# Allegro board BRD-05058-01_B04.brd (continued)
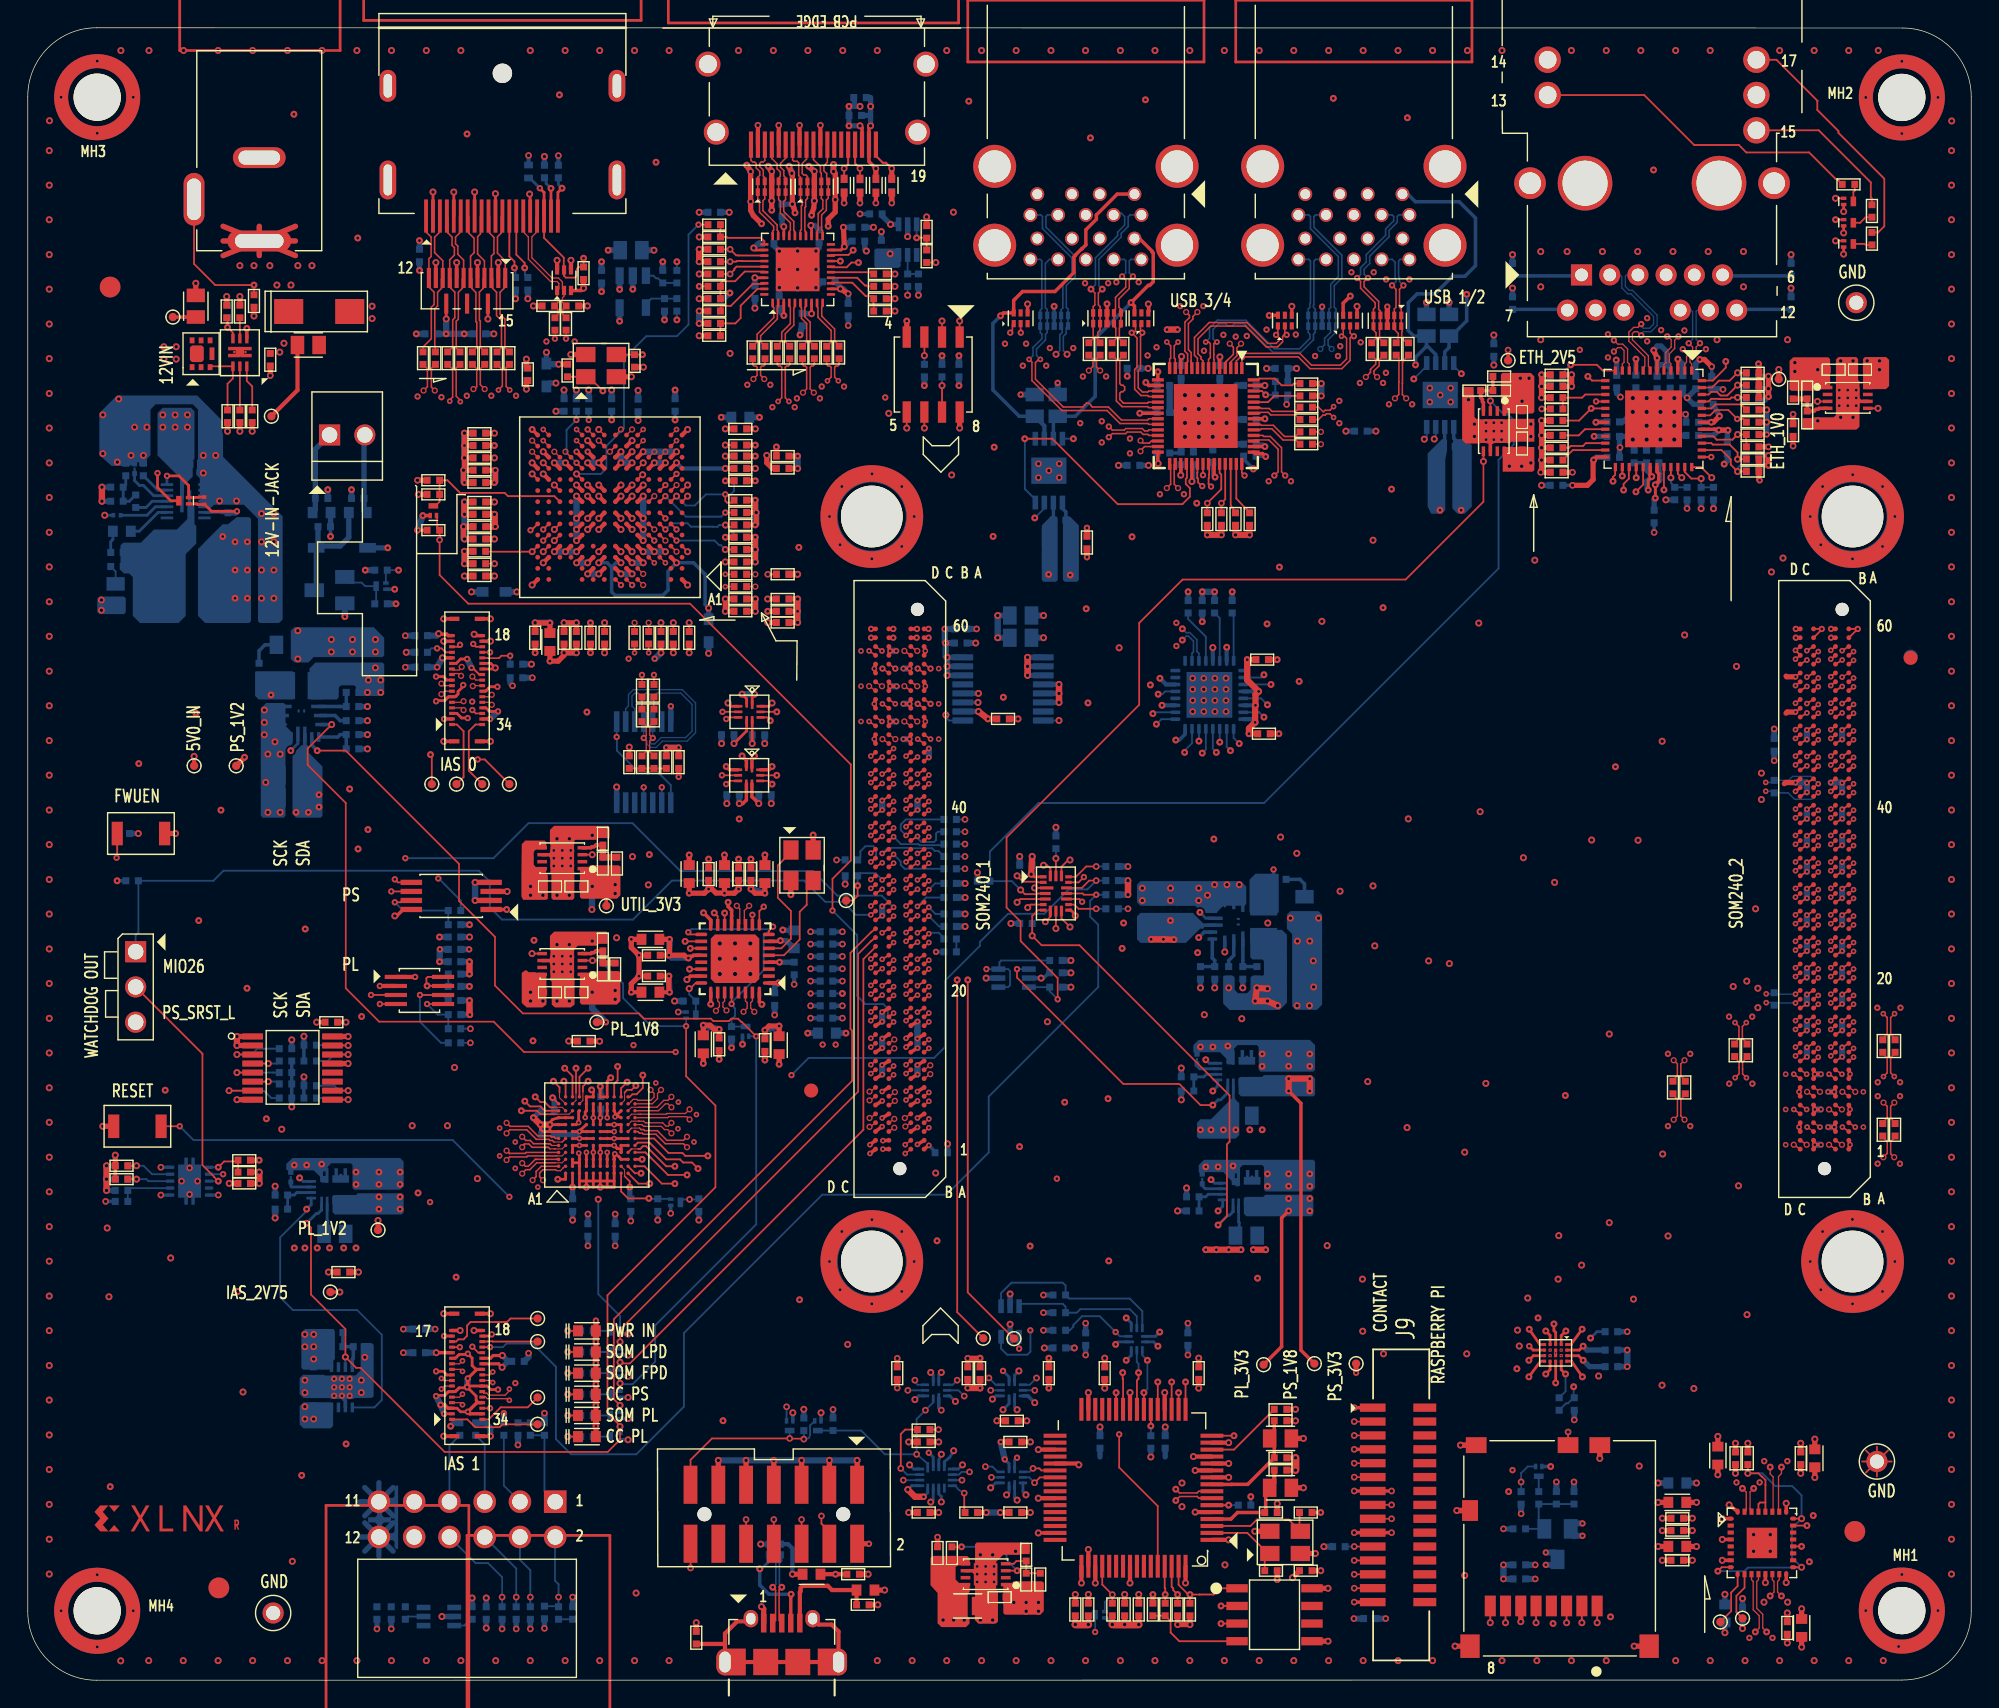
[diagram p0: board, top side]
## Routing (per net, layer and track width the routed paths; a pad name or vN(x,y) marks a point on that pad's centre or on a via; arc(x,y) is an arc through that point) (continued)
  L12_SIG w0.457: v2(131.11,92.34) v2(131.11,91.78) ; v2(131.11,92.34) v2(130.5,92.34) ; v2(131.11,92.34) 131.11,92.28 131.11,92.31 ; v2(131.11,92.34) v2(131.72,92.34) ; v2(131.11,92.34) v2(130.5,91.78) ; v2(131.11,92.34) v2(131.72,91.78) ; v2(131.11,91.78) v2(130.5,91.78) ; v2(131.11,91.78) v2(131.72,91.78) ; v2(62.96,85.96) 63.67,85.42 ; v2(130.5,92.34) v2(130.5,92.9) ; v2(130.5,92.34) v2(130.5,91.78) ; v4(110.29,32.02) 110.26,31.27 ; v1(84.72,70.56) v1(84.72,71.36) ; v4(96.53,43.11) 97.76,43.97 ; v2(87.02,96.76) 86.89,97.38 ; v1(86.32,70.56) v1(86.32,71.36) ; 10.66,35.96 11.1,35.91 10.61,35.99 ; v4(100.92,51.8) 101.37,51.89 ; v2(131.72,92.34) v2(131.72,91.78) ; v2(131.72,92.34) v2(131.72,92.9) ; v4(69.37,13.86) 69.29,13.03 ; v4(118.51,102.88) 118.59,103.5 ; v4(103.21,16.93) 102.79,16.38 ; v4(83.97,16.11) 83.99,15.54 ; 85.81,97 85.93,96.88 v2(86.13,96.88) ; v4(68.62,9.03) v2(68.39,8.19) v2(69,8.19) v2(69.61,8.19) v2(69.61,7.63) ; v2(80.67,95.4) 80.11,95.1 ; v2(74.19,93.43) 73.89,93.7 ; v4(71.34,69.23) 71.4,69.8 ; v4(121.05,102.88) 121.11,103.22 ; 103.94,38.18 v4(103.51,38.03) 103.07,38.12 ; v4(70.51,13.35) 70.53,12.98 ; v4(63.46,17.16) 63.45,16.79 ; v4(118.16,31.99) 118.29,31.42 ; v2(97.63,93.42) v2(97.84,94.15) ; v1(85.52,70.56) v1(85.52,71.36) ; v6(106.68,13.58) 106.58,13.16 ; v1(11.66,36.89) 10.94,36.8 ; v4(125.4,93.01) v4(125.4,93.9) ; v1(83.92,70.56) v1(83.92,71.36) ; v6(69.62,88.79) 69.27,89.18 ; v2(89.24,97.26) 89.28,97.51
  L13_GND w0.127: J16.1 134.01,16.55 ; J16.1 132.4,14.94 ; J16.1 134.01,14.94 ; J16.1 132.4,16.55 ; 130.92,100.01 J17.1 ; J17.1 130.92,98.4 ; J17.1 132.53,98.4 ; J17.1 132.53,100.01 ; 16.87,5.65 J15.1 ; J15.1 18.48,5.65 ; J15.1 18.48,4.04 ; J15.1 16.87,4.04
  L13_GND w0.203: U46.4 71.7,106.19 ; U46.7 76.32,106.88 ; U46.16 76.22,103.58 ; U46.13 71.65,103.04
  L13_GND w0.381: J6.21 43.35,106.33 ; J6.21 43.35,109.74 ; J6.21 41.54,106.33 ; J6.21 41.54,109.74 ; 47.83,115.21 J5.21 ; J5.21 50.17,115.21 ; J5.21 50.17,117.55 ; J5.21 47.83,117.55 ; 68.02,110.65 U46.19 ; U46.19 68.02,107.39 ; U46.19 71.29,107.39 ; U46.19 71.29,110.65 ; 63.53,117.55 J5.22 ; J5.22 65.87,115.21 ; J5.22 63.53,115.21 ; J5.22 65.87,117.55 ; 81.16,107.39 U46.22 ; U46.22 84.43,107.39 ; U46.22 81.16,110.65 ; U46.22 84.43,110.65 ; J5.20 50.77,110.31 ; J5.20 48.43,110.31 ; J5.20 50.77,112.65 ; J5.20 48.43,112.65 ; 75.33,101.43 U46.16 77.11,101.43 ; 14.09,111.08 J12.2 ; J12.2 19.26,111.08 ; J12.2 14.09,108.21 ; J12.2 19.26,108.21 ; J6.23 27.23,116.66 ; J6.23 24.66,116.66 ; J6.23 24.66,112.98 ; J6.23 27.23,112.98 ; U46.4 73.61,107.91 ; U46.4 73.61,106.13 ; U46.4 71.83,107.91 ; U46.13 73.61,102.93 ; U46.13 71.83,104.71 ; U46.13 73.61,104.71 ; U44.19 90.59,107.39 ; U44.19 90.59,110.65 ; U44.19 87.33,107.39 ; U44.19 87.33,110.65 ; 41.16,112.98 J6.22 ; J6.22 43.73,112.98 ; J6.22 41.16,116.66 ; J6.22 43.73,116.66 ; 62.93,112.65 J5.23 ; J5.23 62.93,110.31 ; J5.23 65.27,110.31 ; J5.23 65.27,112.65 ; J10.SH1 109.56,106.46 ; J10.SH1 109.56,109.15 ; J10.SH1 106.88,109.15 ; J10.SH1 106.88,106.46 ; 25.04,106.33 J6.24 ; J6.24 26.85,109.74 ; J6.24 25.04,109.74 ; J6.24 26.85,106.33 ; U44.22 103.73,107.39 ; U44.22 100.47,110.65 ; U44.22 100.47,107.39 ; U44.22 103.73,110.65 ; 124.45,109.15 J10.SH2 ; J10.SH2 127.14,106.46 ; J10.SH2 127.14,109.15 ; J10.SH2 124.45,106.46 ; 77.11,104.63 U46.7 75.33,104.63
  BOTTOM w0.203: U64.1 71.09,19.66 v4(71.27,19.48) ; v4(69.37,13.86) 69.72,14.21 U65.3 ; v4(71.27,12.97) 71.09,13.15 U65.1 ; U65.2 70.69,13.53 v4(70.51,13.35) ; U3.1 v6(86.45,45.67) ; U5.1 v6(21.17,37.16) ; Z4.1 84.22,45.35 v6(84.48,45.61) ; v4(65.05,12.83) 65.23,13.01 U22.11 ; U22.16 63.82,15.21 v4(63.52,15.51) ; v4(69.49,20.24) 69.73,20.48 U64.3 ; v4(63.9,20.21) 64.17,20.48 U25.3 ; v4(65.81,12.84) 65.81,13.23 65.63,13.41 U22.10 ; v4(70.25,19.48) 70.69,19.91 U64.2 ; v6(79.13,26.09) 79.49,25.73 U71.3 ; v4(67.33,15.51) 67.03,15.21 U22.5 ; U4.1 v6(86.83,37.04) ; Q16.2 v1(46.86,48.12)
  BOTTOM w0.229: U13.5 v1(9.59,36.94)
  BOTTOM w0.254: Q8.2 v4(43.25,20.36) ; v1(65.81,19.45) 65.63,19.63 U25.1 ; v6(73.94,98.94) U69.3 U69.8 ; R79.1 v6(88.1,13.22) ; U45.1 102.73,89.43 102.82,89.34 C317.2 ; C318.2 74.78,84.13 74.53,84.38 U47.1 ; Q6.2 v4(43.25,24.94) ; v6(19.2,37.1) 18.95,36.84 Z5.1 ; Q9.2 v4(43.25,18.84) ; v2(22.63,21.1) 22.77,20.95 22.77,20.23 22.88,20.12 U8.6 ; C304.2 83.01,88.37 C283.2 ; v4(14.33,99.65) 14.39,99.59 R134.2 ; Q7.2 v4(43.25,21.89) ; R31.2 7.09,87.61 Z1.1 ; C51.2 v1(5.61,34.48) ; Q17.2 v4(43.25,23.41) ; v4(88.29,87.23) 87.58,87.94 C284.2 ; U66.8 U66.3 v2(93.24,98.92) ; C163.2 v1(117.16,82.66) ; v4(78.13,4.01) 77.65,4.49 Q19.2 ; Z2.1 84.61,36.72 v6(84.86,36.97) ; Q15.2 v6(109.71,15.39) ; Q13.2 v4(55.11,19.26) ; Q10.2 v4(43.25,17.32) ; Q20.2 v6(26.43,78.56) ; U14.11 v4(68.45,70.41) ; Q12.2 v4(57.14,19.26) ; Q11.2 v6(51.49,45.8) ; C344.2 v2(65.43,52.45)
  BOTTOM w0.305: C136.2 v1(43.44,33.07) ; C366.2 v1(36.08,109.8) ; C365.2 v1(38.22,109.79) ; C261.2 v1(59.95,105.59) ; U37.23 v6(86.37,74.39) ; v6(86.45,45.67) 86.38,45.73 ; C65.2 v1(55.21,50.11)
  BOTTOM w0.381: C161.2 115.85,92.56 v10(115.62,92.33) v10(115.62,91.34) ; C151.2 119.22,92.66 v1(119.54,92.35) ; v4(56.78,100.28) 57.2,100.7 C359.2 ; C274.2 v4(102.39,99.23) ; C144.2 114.9,90.61 v10(115.62,91.34) ; C225.2 v4(48.37,105.71) ; C126.2 37.92,41.83 v6(37.81,41.95) ; v10(115.62,89.34) 115.72,89.25 C156.2 ; v10(115.62,89.34) v10(116.62,89.34) ; v10(115.62,89.34) 115.4,89.57 C153.2 114.66,88.81 v1(114.7,88.77) 114.66,88.74 C166.2 ; C130.2 v1(42.31,31.28) ; C376.2 v1(25.15,3.7) ; C273.2 v6(84.61,76.23) ; C375.2 v1(36.2,3.7) ; C155.2 120,91.89 v1(119.54,92.35) ; C137.2 v4(39.25,33.14) ; R120.2 125.38,93.89 v4(125.4,93.9) ; C380.2 v1(34.17,3.7) ; v10(115.62,91.34) v10(116.62,91.34) ; C223.2 60.29,103.04 v4(60.41,102.92) ; U42.2 v4(29.83,4.59) ; v4(59.95,113.34) 59.55,113.34 ; 59.55,113.34 v6(59.16,113.34) C361.2 v6(59.16,111.94) v4(59.95,111.94) ; 59.55,113.34 59.55,113.97 C263.2 ; C86.2 v4(75.39,23.93) ; X1.4 v4(52.8,9.8) ; R117.2 125.33,88.25 v4(125.4,88.18) ; C360.2 54.13,100.28 v4(54.14,100.29) ; R126.2 109.41,93.53 v4(109.05,93.17) v4(109.05,92.36) ; R43.2 v4(24.47,70.12) ; v3(41.24,40.51) 41.28,40.55 C132.2 ; U14.6 v4(74.29,70.41) ; v10(116.62,90.34) v10(117.62,90.34) ; v10(116.62,90.34) v10(116.62,89.34) ; v10(116.62,90.34) v10(116.62,91.34) ; v10(117.62,90.34) v10(117.62,91.34) ; v10(117.62,90.34) v10(118.61,90.34) ; v10(117.62,90.34) v10(117.62,89.34) ; C175.2 v1(115.22,23.78) ; C221.2 v4(60.92,104.63) ; U23.2 v4(70.76,27.82) ; v6(125.4,92.44) 125.14,92.18 R118.2 R119.2 125.38,93 v4(125.4,93.01) ; v10(116.62,89.34) 116.61,89.33 C147.2 ; U14.5 v4(74.29,71.06) ; C162.2 119.46,91.13 v1(119.43,91.17) 118.78,91.17 v10(118.61,91.34) v10(117.62,91.34) ; v1(114.73,92.41) 114.46,92.67 C160.2 ; C378.2 v1(35.19,3.7) ; U70.2 v4(69.04,50.56) ; C220.2 v4(52.38,98.81) ; C250.2 v4(35.92,95.13) ; C285.2 v4(78.57,87.49) ; C152.2 117.5,89.23 v10(117.62,89.34) ; C168.2 v4(127.02,100.25) ; v4(54.14,102.91) 53.75,103.3 C357.2 ; R263.2 v4(58.88,57.33) ; C210.2 v6(21.61,85.74) ; C237.2 v4(33.03,3.76) ; C131.2 39.46,39.3 v3(39.74,39.01) ; v10(116.62,91.34) v10(116.62,92.33) ; v10(116.62,91.34) v10(117.62,91.34) ; R2.2 v4(87.53,49.86) ; C373.2 v1(37.22,3.73) ; R200.2 v4(37.22,109.73) ; v10(117.62,91.34) v10(117.62,92.33) 117.37,92.58 C167.2 ; C296.2 v4(97.12,89.95) ; C217.2 v1(59.1,97.55) ; v10(117.62,89.34) v10(118.61,89.34) 118.91,89.64 C159.2 ; R16.2 v4(83.1,41.8) ; C356.2 v1(83.57,23.42) ; v10(118.61,92.33) 118.32,92.63 C165.2 ; C196.2 v4(123.53,3.72) ; C150.2 122.08,93 v1(122.12,92.95) ; R20.2 v4(82.83,33.8) ; C219.2 v4(55.08,106.29) ; R5.2 v4(85.51,49.86) ; C300.2 v4(89.24,94.47) ; C363.2 v1(58.81,106.38) ; C222.2 50.15,99.49 50.38,99.71 50.39,99.71 v6(50.58,99.9) ; v1(119.54,92.35) 120.16,92.98 C148.2 ; C358.2 57.01,103.15 v4(56.78,102.92) ; C238.2 v1(26.19,3.7) ; U14.4 v4(74.29,71.71) ; C272.2 v4(100.76,99.23) ; C245.2 v6(52.41,82.31) ; C71.2 54.42,54 v6(54.39,54.03) ; R122.2 v4(120.55,84.37) ; C170.2 v4(106.96,102.66) ; C371.2 v1(39.25,5.98) ; C364.2 v1(62.24,106.38) ; U29.7 v4(42.42,64.32) ; C171.2 v4(106.96,100.25) ; v1(90.69,91.87) 90.69,92.47 R271.2 ; C149.2 v4(105.61,96.87) ; v6(122.21,87.58) 122.43,87.8 C157.2 ; C262.2 v4(61.49,104.31) ; C209.2 v6(23.32,85.74) ; C292.2 v6(79.2,93.9) ; R213.2 v6(86.76,78.38) ; v6(125.4,87.49) 124.81,87.49 R121.2 ; C236.2 v4(7.96,60.97) ; C154.2 v4(109.05,86.05) ; R44.2 v4(66.26,38.62) ; C355.2 v1(76.21,25.71) ; R42.2 v4(24.47,68.1) ; C278.1 v6(83.59,78.38) ; R123.2 v1(119.53,84.39) ; C362.2 v1(59.95,106.38) ; C125.2 v1(40.35,31.28) ; C269.2 v6(28.22,101.52) ; C313.2 v6(75.1,79.59) ; C169.2 v4(127.02,102.66) ; C191.2 v4(122.26,3.42) ; U48.2 v4(63.38,103.96)
  BOTTOM w0.406: C176.2 v1(115.22,22.58) ; C178.2 v1(111.41,18.75)
  BOTTOM w0.432: C140.2 v1(36.35,72.19) ; v4(33.33,17.58) 33.33,18.15 32.94,18.54 C377.2 ; C271.2 v4(33.58,96.96) ; C143.2 v1(97.82,4.44) ; C108.2 v4(53.56,63.13) ; C270.2 v6(27.99,96.96) ; C293.2 v2(71.53,92.58) ; v6(58.94,46.6) C66.2 ; C370.2 v1(35.31,16.94) ; C265.2 v6(41.33,102.15) ; C109.2 v4(50.36,63.13) ; C201.2 v4(117.45,14.2) ; U33.2 v6(43.58,100.17) ; C141.2 v1(27.2,72.95) ; R203.2 v4(35.14,99.49) ; C177.2 v1(106.31,8.31) ; C329.2 v2(29.69,52.63) ; C266.2 v4(45.11,102.98) ; C116.2 v6(67.08,95.39) ; C113.2 v4(38.63,92.92) ; C115.2 v4(49.98,67.45) ; C253.2 v4(42.06,92.92) ; C68.2 v1(53.81,47.91) ; C339.2 v6(46.63,92.91) ; v6(30.46,18.29) 30.71,18.54 C379.2 ; C353.2 v4(73.18,76.67) ; C129.2 v1(125.81,66.22) ; C369.2 v1(106.31,7.29) ; C336.2 v6(52.71,90.95) ; C114.2 v4(53.09,67.45) ; Q18.2 v6(22.84,76.6) ; C294.2 v2(74.19,93.43) ; C354.2 v4(73.18,75.07) ; C257.2 v4(43.97,92.88) ; C142.2 v1(27.2,75.22) ; C323.2 v1(68.35,75.71) ; C244.2 v6(52.41,88.15) ; C53.2 v4(31.82,53.52) ; R202.2 v4(36.02,99.49) ; R261.2 v6(24.31,79.94) ; C258.2 v4(31.45,89.8) ; C98.2 v4(77.24,18.24) ; C73.2 v6(31.82,49.96) ; C133.2 36.08,23.27 v1(36.08,23.55) ; C96.2 v4(81.94,18.24) ; C64.2 v6(29.66,51.74) ; v6(52.41,86.37) C242.2 ; C324.2 v4(68.29,74.69) ; C259.2 v4(55.46,79.64)
  BOTTOM w0.457: C286.2 86.61,90.79 v10(86.36,90.54) ; v3(128.16,47.47) 128.16,46.8 v3(128.17,46.8) ; C134.2 v1(27.06,23.59) ; v6(51.79,109.1) v1(52.07,108.65) ; v3(128.16,62.71) 128.16,62.04 v3(128.17,62.04) ; v4(38.12,52.97) v4(39.01,52.97) ; v10(83.36,89.54) 83.08,89.26 C304.2 ; v3(130.71,54.42) 130.7,54.42 v3(130.7,55.09) ; v3(130.7,49.38) 130.7,48.71 v3(130.71,48.7) ; v3(61.55,45.53) 61.55,45.53 v3(61.55,46.2) ; v3(64.91,67.09) v3(64.91,66.46) ; v4(37.93,87.67) v4(38.73,87.67) ; R163.2 v4(67.53,56.36) ; v9(63.08,67.77) v9(63.52,67.77) ; v9(128.73,43.64) v9(129.18,43.64) ; v10(85.36,92.54) 85.88,93.06 C290.2 ; R164.2 v4(67.53,55.18) ; v3(129.88,64.64) 130.68,64.64 v3(130.7,64.62) 130.7,63.95 v3(130.71,63.94) ; R162.2 v4(67.53,57.38) ; v3(128.17,48.7) 128.16,48.71 v3(128.16,49.38) ; v3(130.71,46.8) 130.7,46.8 v3(130.7,47.47) ; v6(53.34,109.03) v1(53.59,108.66) ; v3(130.71,67.75) 130.7,67.76 v3(130.7,68.43) ; v9(63.52,72.85) v9(63.08,72.85) ; v10(85.36,90.54) v10(85.36,91.54) ; v10(85.36,91.54) v10(84.36,91.54) ; v10(85.36,91.54) v10(86.36,91.54) ; C372.2 v1(37.22,19.23) ; v4(108.28,90.46) v4(108.28,89.57) ; v3(130.7,62.71) 130.7,62.04 v3(130.71,62.04) ; v3(130.7,58.9) 130.7,58.23 v3(130.71,58.23) ; v3(128.17,63.94) 128.16,63.95 v3(128.16,64.62) 128.14,64.64 v3(127.34,64.64) ; v4(104.21,90.46) v4(104.21,89.57) ; v4(41.13,79.67) v4(40.33,79.67) ; v4(51.46,71.01) v4(52.35,71.01) ; v4(74.29,71.71) v4(74.29,71.06) v4(74.29,70.41) ; v4(37.93,81.27) v4(38.73,81.27) v4(39.53,81.27) ; v3(61.55,48.11) 61.55,47.44 v3(61.55,47.43) ; v2(29.99,19.19) v6(29.74,19.83) v2(29.42,20.46) ; v3(130.71,60.13) 130.7,60.14 v3(130.7,60.81) ; v4(43.53,79.67) v4(42.73,79.67) ; v3(61.55,55.73) 61.55,55.06 v3(61.55,55.05) ; v1(87,82.47) v1(88.02,82.47) ; v4(44.33,81.27) v4(45.13,81.27) v4(45.93,81.27) ; v3(64.09,47.43) 64.09,46.77 64.09,46.76 v3(64.09,46.2) 64.09,45.53 v3(64.09,45.53) ; v9(129.69,39.83) v9(130.14,39.83) ; v3(128.17,56.32) 128.16,56.33 v3(128.16,57) ; v10(83.36,91.54) 83.11,91.3 C291.2 C299.2 ; v3(64.09,44.3) 64.09,43.63 v3(64.09,43.62) ; v2(105.05,90.56) v2(105.05,89.95) v2(105.61,89.95) v2(105.61,89.34) v2(105.05,89.34) ; v4(76.4,4.01) v4(75.46,4.01) ; v4(31.45,89.8) 31.45,88.92 v6(31.46,88.91) 31.46,88.03 v4(31.45,88.03) ; v6(55.46,88.15) 55.46,87.27 v4(55.46,87.26) ; v3(128.17,67.75) 128.16,67.76 v3(128.16,68.43) ; v10(84.36,89.54) 83.97,89.15 C295.2 ; v2(105.61,90.56) v2(106.17,90.56) v2(106.17,89.95) ; v4(38.12,56.53) v4(39.01,56.53) ; R165.2 v4(67.53,54.28) ; v9(128.73,38.56) v9(129.18,38.56) ; v3(64.09,63.35) 64.09,62.68 v3(64.09,62.67) ; v4(48.37,98.6) v4(48.37,97.71) ; v6(56.26,109.03) v1(56.66,108.66) ; v4(78.13,4.01) v4(79.02,4.01) v4(80.03,4.01) ; C289.2 83.08,92.82 v10(83.36,92.54) ; C135.2 v1(27.06,25.29) ; v10(84.36,91.54) v10(84.36,92.54) ; v10(84.36,91.54) v10(84.36,90.54) ; v4(55.46,76.17) 55.46,76.17 v6(55.46,76.98) 55.46,76.98 v4(55.46,77.87) ; v3(128.16,60.81) 128.16,60.14 v3(128.17,60.13) ; C303.2 85.37,89.53 v10(85.36,89.54) ; v10(86.36,92.54) 87.06,93.24 C298.2 ; v6(31.65,21.11) v2(31.7,21.73) ; v2(31.65,73.54) v2(31.96,72.9) ; v3(128.17,58.23) 128.16,58.23 v3(128.16,58.9) ; v4(69.05,12.08) v4(70.06,12.08) ; v4(43.53,87.67) v4(42.73,87.67) v4(42.73,88.47) ; v3(128.16,55.09) 128.16,54.42 v3(128.17,54.42) ; v4(45.62,73.99) 45.19,73.56 v2(45.16,73.56) ; v4(40.33,87.67) v4(41.13,87.67) ; C328.2 v4(75.15,50.94) ; C75.2 v4(71.46,59.32) ; v3(128.16,53.19) 128.16,52.52 v3(128.17,52.51) ; v4(49.74,15.83) v4(51.74,15.83) v4(53.74,15.83) v4(55.74,15.83) v4(57.74,15.83) v4(59.74,15.83) ; v9(62.12,69.04) v9(62.56,69.04) ; R26.2 v4(17.82,33.29) ; v4(93.18,93.38) v4(93.18,92.49) ; v4(15.07,45.71) v4(15.07,46.36) ; v2(33.3,69.22) v2(33.88,69.77) ; v3(130.7,53.19) 130.7,52.52 v3(130.71,52.51) ; v4(31.45,84.85) v4(31.45,83.96) 31.45,83.14 v1(31.39,83.07) 31.39,82.25 v4(31.45,82.18) ; v6(31.46,86.25) 31.39,86.31 v1(31.39,87.14) ; v6(58.04,109.16) v1(58.04,108.65) ; v3(61.55,43.62) 61.55,43.63 v3(61.55,44.3) ; v1(106.31,8.31) v1(106.31,7.29) ; v3(128.17,50.61) 128.16,50.61 v3(128.16,51.28) ; v9(62.12,71.58) 62.58,71.58 v9(62.59,71.57) ; v3(130.7,45.57) 130.7,44.9 v3(130.71,44.89) ; v4(45.13,87.67) v4(45.93,87.67) ; v9(62.12,74.12) v9(62.56,74.12) ; v3(130.71,50.61) 130.7,50.61 v3(130.7,51.28) ; v2(82.07,97.26) v2(82.83,97.26) ; C218.2 v6(55.63,96.88) ; v4(52.41,77.87) v4(52.41,76.98) ; C374.2 v2(34.3,19.23) ; v10(86.36,89.54) 86.89,89.01 C297.2 ; v3(130.71,56.32) 130.7,56.33 v3(130.7,57) ; v6(52.41,82.31) 52.41,81.43 v4(52.41,81.42) v4(52.41,80.53) ; v4(38.63,73.99) v4(39.52,73.99) ; v9(63.08,70.31) v9(63.52,70.31) ; v3(61.55,63.35) 61.55,62.68 v3(61.55,62.67) ; v9(129.69,42.37) v9(130.14,42.37) ; v9(128.73,41.1) v9(129.18,41.1) ; v3(128.17,44.89) 128.16,44.9 v3(128.16,45.57) ; v4(38.12,48.91) v4(39.01,48.91) ; v2(29.69,52.63) v6(29.66,51.74) ; v6(54.84,109.03) v1(55.04,108.52) ; v4(68.62,4.33) v4(69.51,4.33) ; v4(32.22,57.45) v4(32.22,56.15) ; v1(115.22,23.78) v1(115.22,22.58) ; 128.4,82.53 v2(129.17,81.77) 130.18,80.75 v2(131.45,80.75) 132.72,80.75 v2(133.61,81.64) 134.5,82.53 v2(134.5,83.8) 134.5,85.07 v2(133.61,85.96) 132.77,86.8 131.47,86.8 v2(131.46,86.81) MH6.1 130.13,86.8 v2(129.29,85.96) 128.4,85.07 v2(128.4,83.8) 128.4,82.53 ; 63.85,31.42 v2(62.96,32.31) 62.12,33.15 60.83,33.15 v2(60.81,33.17) 60.8,33.15 59.48,33.15 v2(58.64,32.31) 57.75,31.42 v2(57.75,30.15) 57.75,28.88 v2(58.52,28.12) 59.53,27.1 v2(60.8,27.1) 62.07,27.1 v2(62.96,27.99) 63.85,28.88 v2(63.85,30.15) 63.85,31.42 ; 57.75,82.53 v2(57.75,83.8) 57.75,85.07 v2(58.64,85.96) 59.48,86.8 60.75,86.8 v2(60.82,86.87) 60.89,86.8 62.12,86.8 v2(62.96,85.96) 63.85,85.07 v2(63.85,83.8) 63.85,82.53 v2(62.96,81.64) 62.07,80.75 v2(60.8,80.75) 59.53,80.75 v2(58.52,81.77) 57.75,82.53 ; 130.13,33.15 v2(129.29,32.31) 128.4,31.42 v2(128.4,30.15) 128.4,28.88 v2(129.17,28.12) 130.18,27.1 v2(131.45,27.1) 132.72,27.1 v2(133.61,27.99) 134.5,28.88 v2(134.5,30.15) 134.5,31.42 v2(133.61,32.31) 132.77,33.15 131.48,33.15 v2(131.44,33.19) 131.41,33.15 130.13,33.15
  BOTTOM w0.559: v10(50.95,51.96) v10(49.85,51.96) ; v10(50.95,51.96) v10(50.95,53.06) ; v10(50.95,51.96) v10(50.95,50.86) ; v10(50.95,51.96) v10(52.05,51.96) ; v10(49.85,51.96) v10(49.85,50.86) v10(50.95,50.86) ; v10(49.85,51.96) v10(49.85,53.06) v10(50.95,53.06) ; v10(50.95,53.06) v10(52.05,53.06) v10(52.05,51.96) ; v10(50.95,50.86) v10(52.05,50.86) v10(52.05,51.96)
  vias: v1(11.08,35.94) v1(11.66,34.99) v1(12.23,35.94) v1(72.81,86.6) v1(73.56,87.1) v1(74.31,87.6) v1(74.31,86.6) v1(83.92,72.16) v1(83.92,69.76) v1(84.72,72.16) v1(84.72,69.76) v1(85.52,72.16) v1(85.52,69.76) v1(86.32,72.16) v1(86.32,69.76) v1(101.75,92.55) v1(102.5,93.05) v1(102.5,92.05) v2(2.4,114) v2(2.4,5) v2(5,116.6) v2(5,111.4) v2(5,7.6) v2(5,2.4) v2(7.6,114) v2(7.6,5) v2(22.07,21.71) v2(22.07,21.1) v2(22.07,20.49) v2(22.63,21.71) v2(22.63,20.49) v2(23.19,21.71) v2(23.19,21.1) v2(23.19,20.49) v2(28.08,92.45) v2(29.8,92.4) v2(31.63,92.5) v2(32.02,70.47) v2(33.4,92.5) v2(35.12,21.4) v2(35.17,92.5) v2(37.36,96.41) v2(37.9,59.76) v2(37.9,59.2) v2(37.9,58.64) v2(37.9,52.14) v2(37.9,51.58) v2(37.9,51.02) v2(38.5,59.76) v2(38.5,58.64) v2(38.5,52.14) v2(38.5,51.02) v2(39.11,59.76) v2(39.11,59.2) v2(39.11,58.64) v2(39.11,52.14) v2(39.11,51.58) v2(39.11,51.02) v2(39.39,96.41) v2(43.28,73.56) v2(53.49,93.29) v2(53.64,91.68) v2(55.25,91.68) v2(55.41,92.31) v2(57.06,92.31) v2(57.2,93.16) v2(58.8,93.16) v2(61.77,92.38) v2(68.39,7.63) v2(68.39,7.08) v2(69,7.08) v2(69.61,7.08) v2(70.39,96.25) v2(71.68,94.66) v2(71.92,96.25) v2(73.37,94.66) v2(73.63,95.93) v2(75.31,95.93) v2(75.82,90.52) v2(76.01,93.89) v2(76.16,100.61) v2(77.37,90.66) v2(77.37,89.14) v2(77.68,93.89) v2(79.4,89.42) v2(79.4,88.35) v2(80.03,100.68) v2(82.74,76.14) v2(83.02,98.95) v2(83.29,85.41) v2(84.68,98.95) v2(87.82,96.8) v2(89.39,86.34) v2(91,86.34) v2(91.35,96.91) v2(92.73,95.36) v2(94.38,95.36) v2(94.55,96.07) v2(94.48,92.13) v2(94.48,90.52) v2(95.35,101.39) v2(96.02,96.35) v2(95.96,93.42) v2(96.96,101.39) v2(97.85,100.88) v2(98.06,91.88) v2(99.53,100.88) v2(99.73,91.88) v2(106.17,89.34) v2(111.81,95.8) v2(113.83,96.92) v2(113.83,95.26) v2(116.66,98.09) v2(116.66,96.42) v2(117.66,97.23) v2(118.16,45.11) v2(118.16,39.9) v2(119.22,95.85) v2(119.34,97.2) v2(119.76,45.11) v2(119.76,39.9) v2(120.89,95.85) v2(122.56,47.79) v2(122.57,42.96) v2(123.09,14.24) v2(124.02,3.05) v2(124.23,47.79) v2(124.24,42.96) v2(124.76,14.24) v2(125.09,15.78) v2(125.69,3.05) v2(126.76,15.78) v2(131.11,92.9) v2(132.4,113.98) v2(132.4,5.01) v2(133.24,48.43) v2(133.27,43.06) v2(133.27,42.06) v2(133.26,37.2) v2(134.88,43.06) v2(134.88,42.06) v2(134.87,37.2) v2(135,116.58) v2(135,111.38) v2(135,7.61) v2(137.6,113.98) v2(137.6,5.01) v3(33.99,39.76) v3(33.99,37.76) v3(35.12,38.76) v3(35.12,36.86) v3(36.74,35.51) v3(45.24,43.01) v3(46.84,39.71) v3(46.87,41.64) v3(47.99,38.76) v3(48.17,40.73) v4(1.55,110.15) v4(1.55,107.66) v4(1.55,105.17) v4(1.55,102.66) v4(1.55,100.17) v4(1.55,97.66) v4(1.55,95.17) v4(1.55,92.66) v4(1.55,90.17) v4(1.55,87.66) v4(1.55,85.17) v4(1.55,82.66) v4(1.55,80.17) v4(1.55,77.66) v4(1.55,75.17) v4(1.55,72.66) v4(1.55,70.17) v4(1.55,67.66) v4(1.55,65.17) v4(1.55,62.66) v4(1.55,60.17) v4(1.55,57.66) v4(1.55,55.17) v4(1.55,52.66) v4(1.55,50.17) v4(1.55,47.66) v4(1.55,45.17) v4(1.55,42.66) v4(1.55,40.17) v4(1.55,37.66) v4(1.55,35.17) v4(1.55,32.66) v4(1.55,30.17) v4(1.55,27.66) v4(1.55,25.17) v4(1.55,22.66) v4(1.55,20.17) v4(1.55,17.66) v4(1.55,15.17) v4(1.55,12.66) v4(1.55,10.15) v4(1.55,7.64) v4(1.56,112.31) v4(5.31,77.79) v4(5.31,77.05) v4(5.41,91.12) v4(5.41,88.33) v4(5.72,32.57) v4(5.85,27.61) v4(6.45,87.72) v4(6.55,92.27) v4(6.71,117.36) v4(6.7,1.4) v4(7.44,88.2) v4(7.69,90.24) v4(8.58,90.24) v4(8.73,117.36) v4(8.71,1.41) v4(10.29,30.41) v4(11.22,117.36) v4(11.2,1.41) v4(12.65,86.93) v4(13.54,88.2) v4(13.71,117.36) v4(13.71,1.41) v4(13.82,84.93) v4(15.04,84.93) v4(15.12,27.99) v4(16.2,117.36) v4(16.2,1.41) v4(16.84,84.01) v4(16.84,81.98) v4(16.84,79.95) v4(16.84,77.92) v4(17.04,69.86) v4(17.04,68.98) v4(17.04,68.09) v4(17.14,64.66) v4(17.3,66.69) v4(17.3,62.5) v4(17.73,84.01) v4(17.73,81.98) v4(17.73,79.95) v4(17.73,77.92) v4(17.8,67.58) v4(18.18,66.69) v4(18.18,62.5) v4(18.3,39.68) v4(18.71,117.36) v4(18.71,1.41) v4(19.06,8.56) v4(19.45,75.58) v4(19.45,73.55) v4(20.47,101.87) v4(21.2,117.36) v4(21.2,1.41) v4(21.87,74.94) v4(21.87,74.06) v4(23.39,74.94) v4(23.39,74.06) v4(23.71,117.36) v4(23.71,1.41) v4(24.03,21.6) v4(24.03,20.72) v4(24.28,23.26) v4(24.8,98.95) v4(24.8,98.06) v4(25.04,74.94) v4(25.04,74.06) v4(26.2,117.36) v4(26.2,1.41) v4(27.69,39.93) v4(28.71,117.36) v4(28.71,1.41) v4(30.23,39.93) v4(30.74,44.12) v4(31.2,117.36) v4(31.2,1.41) v4(32.39,36.12) v4(33.71,1.41) v4(36.2,117.36) v4(36.2,1.41) v4(38.12,60.59) v4(38.71,117.36) v4(38.71,1.41) v4(39.01,60.59) v4(40.66,60.85) v4(40.66,53.23) v4(41.2,117.36) v4(41.2,1.41) v4(43.71,117.36) v4(43.71,1.41) v4(43.82,6.28) v4(46.2,117.36) v4(46.2,1.41) v4(50.59,95.55) v4(51.2,117.36) v4(53.71,117.36) v4(54.13,101.6) v4(55.46,102.92) v4(55.46,101.6) v4(56.2,117.36) v4(56.78,101.6) v4(58.71,117.36) v4(61.2,117.36) v4(61.2,1.41) v4(63.71,1.41) v4(65.41,36.52) v4(66.2,117.36) v4(66.2,1.41) v4(66.56,86.79) v4(66.68,105.72) v4(68.71,117.36) v4(68.71,1.41) v4(69.51,9.03) v4(71.2,117.36) v4(71.16,9.29) v4(71.2,1.41) v4(73.45,47.42) v4(73.71,117.36) v4(73.71,1.41) v4(76.2,117.36) v4(76.2,1.41) v4(78.62,74.35) v4(78.71,117.36) v4(78.71,1.41) v4(80.29,57.04) v4(80.29,56.15) v4(81.2,117.36) v4(81.2,1.41) v4(82.32,57.04) v4(82.32,56.15) v4(83.15,14.2) v4(83.15,12.5) v4(83.71,117.36) v4(83.71,1.41) v4(84.35,57.04) v4(84.35,56.15) v4(84.76,47.93) v4(84.99,56.53) v4(86.2,117.36) v4(86.24,8.31) v4(86.2,1.41) v4(86.38,57.29) v4(87.27,57.29) v4(87.45,47.64) v4(88.71,117.36) v4(88.71,1.41) v4(89.33,54.53) v4(90.25,60.72) v4(90.96,54.88) v4(91.2,117.36) v4(91.2,1.41) v4(91.42,59.55) v4(91.44,48.58) v4(91.46,53.23) v4(92.33,48.58) v4(92.35,53.23) v4(92.61,51.81) v4(92.63,49.93) v4(92.99,54.88) v4(93.23,76.25) v4(93.61,31.3) v4(93.71,117.36) v4(93.71,1.41) v4(94.53,56.82) v4(96.15,28.88) v4(96.2,117.36) v4(96.17,25.13) v4(96.2,1.41) v4(96.91,82.1) v4(96.91,57.2) v4(97.04,52.89) v4(97.67,23.51) v4(98.71,117.36) v4(98.71,1.41) v4(99.45,62.03) v4(99.36,39.8) v4(101.2,117.36) v4(101.2,1.41) v4(102.41,51.61) v4(103.51,7.55) v4(103.71,117.36) v4(103.66,23.51) v4(103.78,92.22) v4(104.53,76.13) v4(104.62,62.55) v4(106.2,117.36) v4(106.2,1.41) v4(107.32,25.21) v4(107.44,24.07) v4(107.74,59.23) v4(108.05,27.52) v4(108.56,80.66) v4(108.71,1.41) v4(108.99,102.88) v4(108.99,100.34) v4(108.99,96.53) v4(109.99,57.46) v4(110.24,28.88) v4(110.89,102.88) v4(111.2,117.36) v4(111.2,1.41) v4(112.66,60.51) v4(113.16,21.91) v4(113.43,102.88) v4(113.71,117.36) v4(113.71,1.41) v4(113.93,46.54) v4(113.93,32.95) v4(115.67,27.44) v4(115.97,102.88) v4(116.09,15.42) v4(116.2,117.36) v4(117.74,67.62) v4(117.73,21.25) v4(117.78,37.89) v4(118.71,117.36) v4(118.71,1.41) v4(119.36,75.27) v4(120.02,21.01) v4(121.2,117.36) v4(121.2,1.41) v4(121.69,96.53) v4(122.86,49.96) v4(123.09,73.01) v4(123.24,35.61) v4(123.59,100.34) v4(123.83,50.35) v4(123.85,26.33) v4(124.32,10.49) v4(124.32,9.29) v4(124.47,55.55) v4(124.63,49.83) v4(124.63,48.43) v4(124.89,65.32) v4(124.89,63.42) v4(125.07,5.62) v4(125.52,10.49) v4(125.52,9.29) v4(125.61,79.81) v4(126.2,117.36) v4(126.2,1.41) v4(126.44,80.81) v4(126.77,96.53) v4(126.78,5.62) v4(128.69,117.36) v4(128.69,1.41) v4(128.95,90.69) v4(130.6,95.01) v4(130.6,90.95) v4(131.18,117.36) v4(131.18,1.41) v4(131.49,95.01) v4(131.49,90.95) v4(133.3,117.36) v4(133.67,1.41) v4(138.59,112.29) v4(138.58,110.15) v4(138.58,107.66) v4(138.58,105.17) v4(138.58,102.66) v4(138.58,100.17) v4(138.58,97.66) v4(138.58,95.17) v4(138.58,92.66) v4(138.58,90.17) v4(138.58,87.66) v4(138.58,85.17) v4(138.58,82.66) v4(138.58,80.17) v4(138.58,77.66) v4(138.58,75.17) v4(138.58,72.66) v4(138.58,70.17) v4(138.58,67.66) v4(138.58,65.17) v4(138.58,62.66) v4(138.58,57.66) v4(138.58,55.17) v4(138.58,52.66) v4(138.58,50.17) v4(138.58,47.66) v4(138.58,42.66) v4(138.58,40.17) v4(138.58,32.66) v4(138.58,30.17) v4(138.58,27.66) v4(138.58,25.17) v4(138.58,22.66) v4(138.58,20.17) v4(138.58,17.66) v4(138.58,15.17) v4(138.58,12.66) v4(138.58,10.15) v4(138.58,7.64) v6(5.94,13.94) v6(8,66.01) v6(9.9,42.49) v6(12.11,69.64) v6(12.32,54.71) v6(13.92,62.66) v6(15.79,49.83) v6(17.19,40.43) v6(19.17,112.77) v6(19.99,54.1) v6(23.19,64.18) v6(23.65,36.59) v6(23.65,35.7) v6(23.77,103.86) v6(23.8,59.86) v6(24.05,47.8) v6(25.3,36.59) v6(25.3,35.7) v6(26.82,36.59) v6(26.82,35.7) v6(30.86,29.03) v6(31.64,111.35) v6(36.39,46.05) v6(36.47,53.28) v6(38.3,114.17) v6(40.28,69.72) v6(44.78,59.46) v6(45.26,109.32) v6(51.25,62.02) v6(55.6,27.4) v6(65.5,31.64) v6(67.79,113.71) v6(69.54,82.37) v6(70.28,70.79) v6(71.45,38.43) v6(72.21,31.26) v6(74.7,41.63) v6(76.55,111.07) v6(77.82,41.88) v6(77.87,30.2) v6(78.84,52.7) v6(78.94,54.53) v6(80.51,113.81) v6(80.87,71.67) v6(84.21,84.76) v6(84.27,52.4) v6(85.44,60.57) v6(85.37,45.61) v6(85.75,36.97) v6(88.03,39.64) v6(88.59,28.95) v6(88.92,45.1) v6(88.92,39.64) v6(89.28,76.07) v6(89.3,36.46) v6(89.3,35.57) v6(90.17,80.16) v6(90.83,45.1) v6(90.83,44.21) v6(90.83,36.46) v6(90.83,35.57) v6(91.59,71.93) v6(92.35,45.1) v6(92.35,44.21) v6(92.35,36.46) v6(92.35,35.57) v6(94.05,113.91) v6(97.63,77.24) v6(98.24,85.77) v6(99.39,112.52) v6(103.26,84.25) v6(109.88,4.09) v6(110.77,42.11) v6(114.02,4.57) v6(114.37,65.78) v6(117.12,108.76) v6(128.34,8.53) v6(128.62,11.86) v9(60.02,71.58) v9(60.02,69.04) v9(65.62,72.85) v9(65.62,70.31) v9(65.62,67.77) v9(126.64,43.64) v9(126.64,41.1) v9(126.64,38.56) v9(132.23,42.37) v9(132.23,39.83) v10(83.36,90.54)
